# Altium PCB 2440PCBV8.PcbDoc (part 2 of 4)
Units mm, origin at the board's own origin, x right, y up, seen from the top; angles counter-clockwise.
Board outline 100.55 x 165.78 mm, 6 copper layers (Top Layer, GND1, SIG1, VCC, GND2, Bottom Layer), stack 1.803 mm thick; 257 components, 255 nets, 1164 pads, 733 vias.
Unrouted connection lines stored in the file: 55.
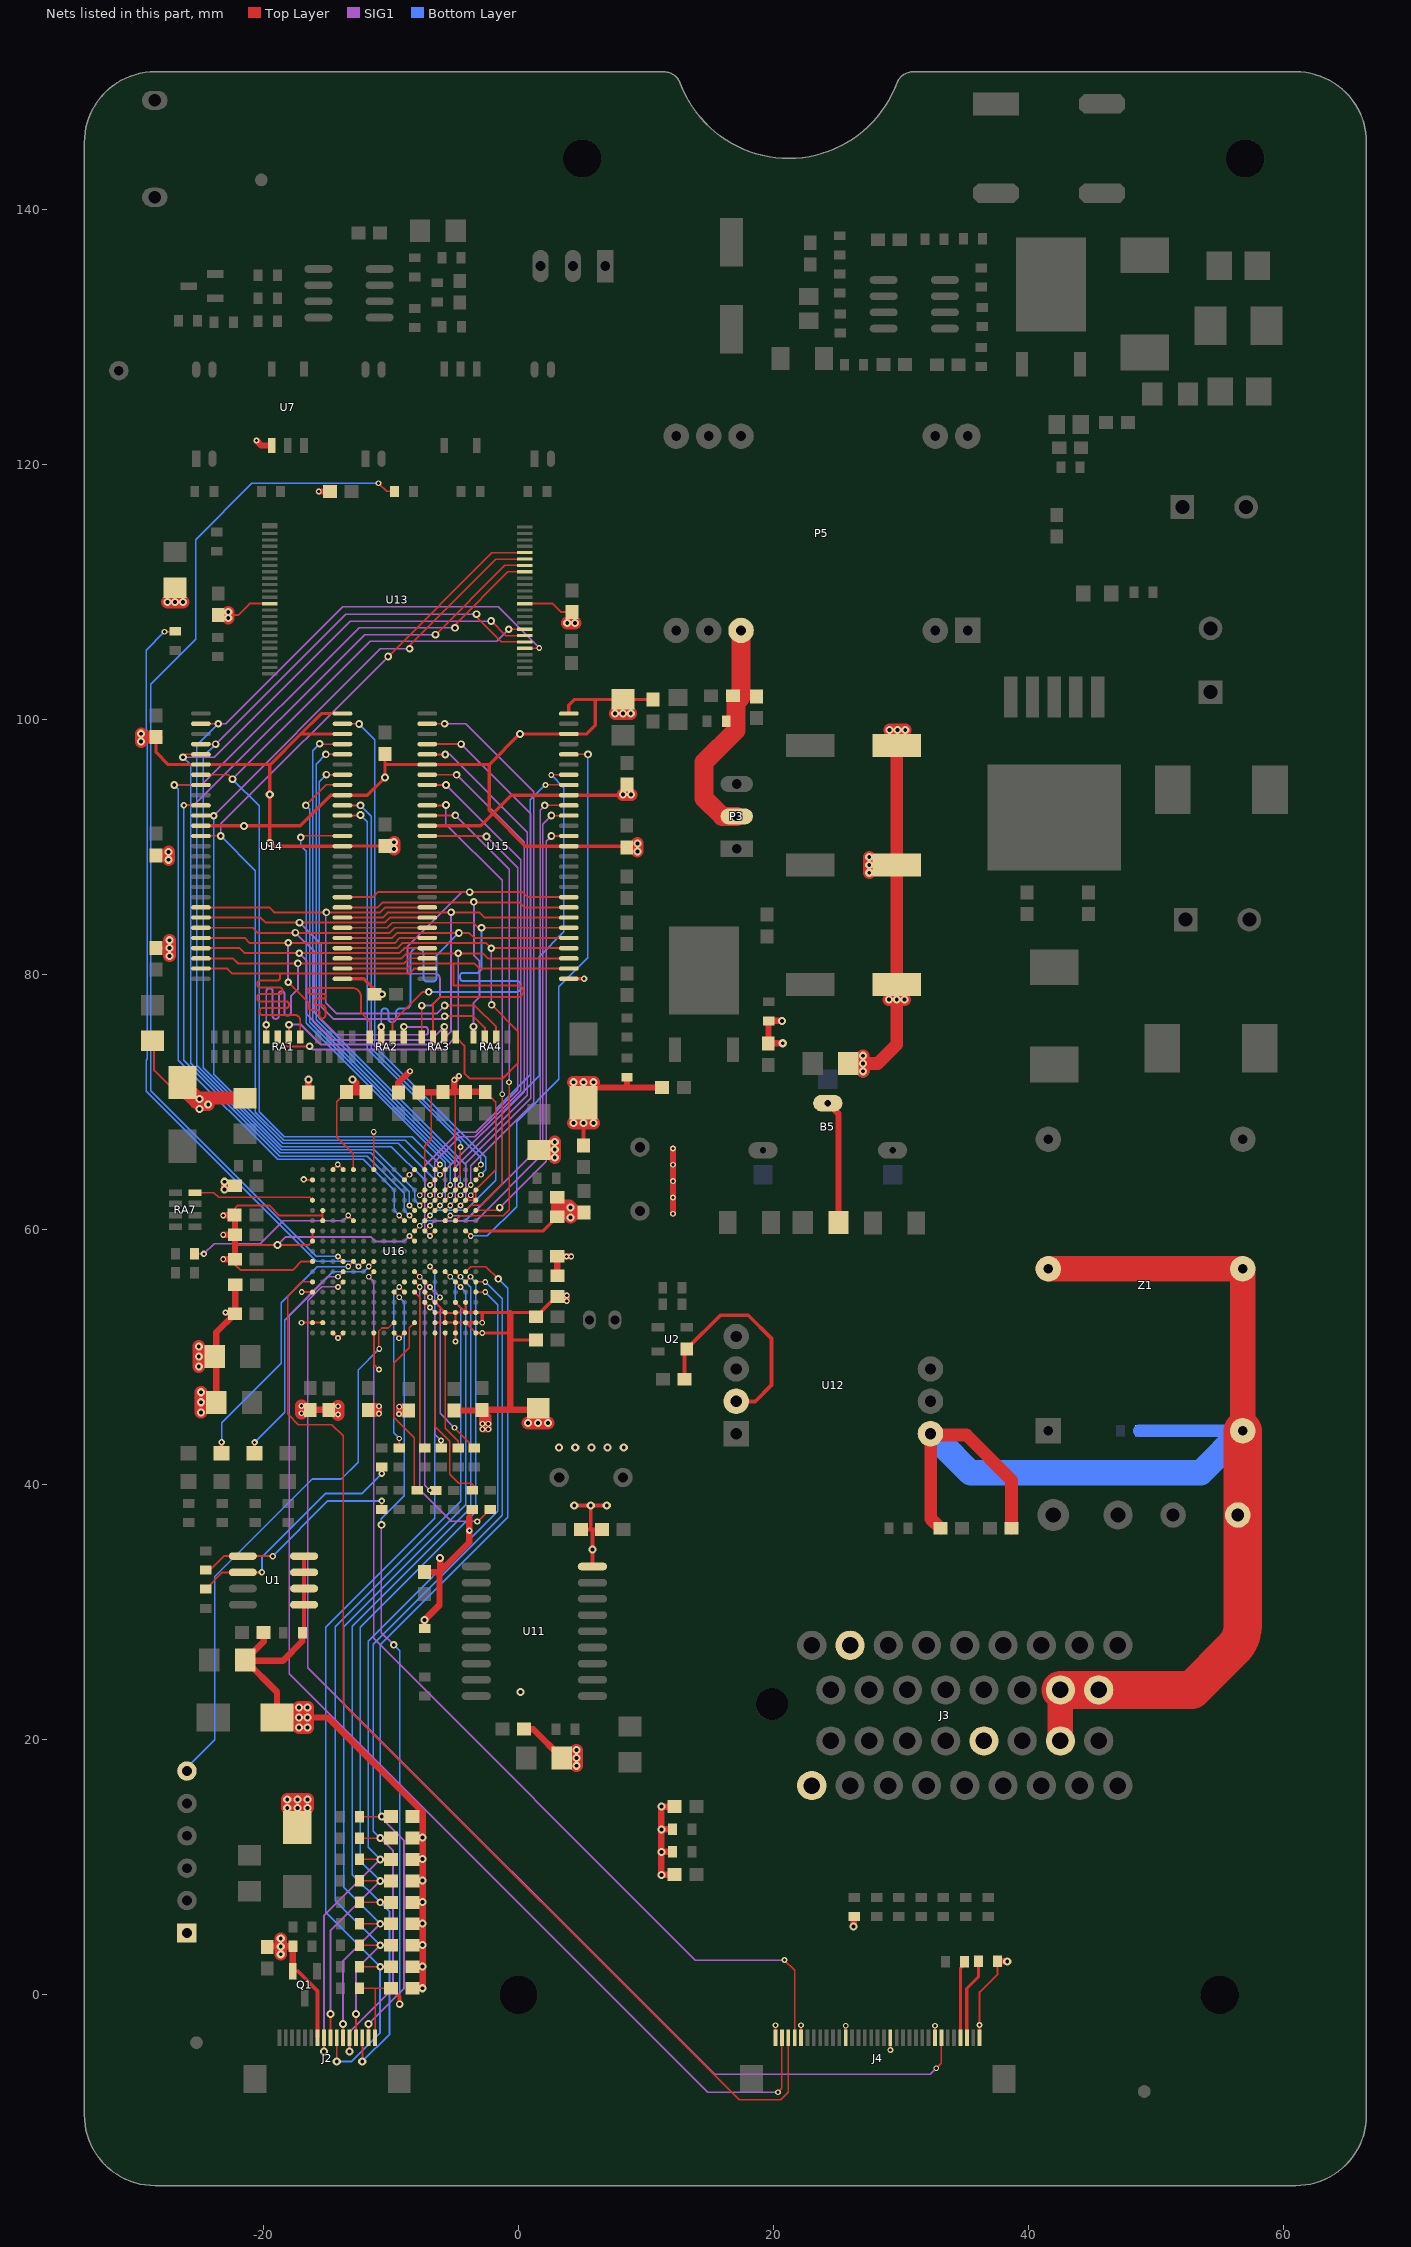
[diagram p6: the nets of this part, all layers, seen from the top]

## Via types
v1: diameter 0.635, hole 0.305, Top Layer to Bottom Layer, tented both sides, 275 vias
v2: diameter 0.457, hole 0.254, Top Layer to Bottom Layer, tented both sides, 233 vias
v3: diameter 0.6, hole 0.3, Top Layer to Bottom Layer, tented both sides, 106 vias
v4: diameter 0.762, hole 0.381, Top Layer to Bottom Layer, tented both sides, 59 vias
v5: diameter 0.508, hole 0.254, Top Layer to Bottom Layer, tented both sides, 59 vias
v6: diameter 0.406, hole 0.254, Top Layer to Bottom Layer, tented both sides, 1 vias

## Nets (pads, with @x,y where several pads share a name; then routed paths per layer and width w, separated by ;. In a path a pad name is that pad's centre, name@x,y a point inside that pad or via, vN(x,y) a via of type N, cw(c..) or ccw(c..) an arc to the next point about the centre after c; other vN are vias at no path point) (continued)
DACK: B2.2 U16.K7 | length 20.3
  Top Layer w0.102: v2(-11.748,57.099) U16.K7@-11.348,57.499
  Top Layer w0.254: B2.2@-20.696,42.456 v5(-20.696,43.312)
  Bottom Layer w0.102: v5(-20.696,43.312) -18.339,45.669 -18.339,52.908 -14.548,56.699 -12.148,56.699 v2(-11.748,57.099)
DN0: R25.1 U16.P12 | length 11.9
  Top Layer w0.102: U16.P12@-7.348,54.299 v2(-6.948,53.899) ; R25.1@-6.071,42.889 v2(-6.071,43.459)
  SIG1 w0.102: v2(-6.948,53.899) -6.548,53.499 -6.548,43.936 v2(-6.071,43.459)
DN1/PDN0: R8.1 U16.N12 | length 13.8
  Top Layer w0.102: U16.N12@-7.348,55.099 v2(-6.948,54.699) ; v2(-5.023,44.457) R8.1@-3.454,42.889
  SIG1 w0.102: v2(-6.948,54.699) -6.147,53.898 -6.147,45.581 v2(-5.023,44.457)
DP0: R35.1 U16.N11 | length 12.4
  Top Layer w0.102: U16.N11@-8.148,55.099 -7.748,54.699 R35.1@-7.748,42.889
DP1/PDP0: R11.1 U16.U14 | length 9.4
  Top Layer w0.102: U16.U14@-5.748,51.899 -5.748,44.407 -4.724,43.384 R11.1@-4.724,42.914
DPSH: J4.30 R51.2 | length 6
  Top Layer w0.254: J4.30@34.66,-3.375 34.66,2.072 34.786,2.198 R51.2@34.786,2.54
DPSV: J4.31 R52.1 | length 6.4
  Top Layer w0.254: J4.31@35.16,-3.375 35.16,0.489 36.074,1.403 R52.1@36.074,2.616
DREQ: B1.2 U16.K5 | length 20.8
  Top Layer w0.102: v2(-13.348,57.099) U16.K5@-12.948,57.499
  Top Layer w0.305: B1.2@-23.289,42.456 v5(-23.289,43.33)
  Bottom Layer w0.102: v5(-23.289,43.33) -23.289,44.859 -18.618,49.53 -18.618,54.28 -15.799,57.099 v2(-13.348,57.099)
EGND: C30.2 C31.1 J3.11 J3.18 J3.19 RV1.1 RV2.1 U12.8 Z1.2 Z1.4 Z1.5 | length 117.6
  Top Layer w1: C30.2@33.083,36.576 32.334,37.325 32.334,43.891 35.128,43.891 38.671,40.349 C31.1@38.671,36.576
  Top Layer w2: Z1.2@41.554,56.921 Z1.5@56.794,56.921 Z1.4@56.794,44.221 ; J3.11@42.5,19.9 J3.19@42.5,23.9
  Top Layer w3: J3.19@42.5,23.9 J3.18@45.5,23.9 52.805,23.9 56.05,27.145 ccw(c54.254,28.941) 56.794,28.941 Z1.4@56.794,44.221
  Bottom Layer w1: RV2.1@48.705,44.221 Z1.4@56.794,44.221
  Bottom Layer w2: U12.8@32.995,43.383 35.458,40.919 53.492,40.919 Z1.4@56.794,44.221
EINT0/GPF0: C17.1 J2.8 R26.2 U16.N17 | length 70.7
  Top Layer w0.102: R26.2@-12.458,10.604 v3(-10.844,10.604) C17.1@-9.994,10.604 ; U16.N17@-3.348,55.099 v2(-2.61,55.099)
  Top Layer w0.152: v1(-15.25,-4.463) J2.8@-15.25,-3.375
  SIG1 w0.152: v1(-15.25,-4.463) -15.264,-4.449 -15.264,6.184 v3(-10.844,10.604)
  Bottom Layer w0.102: v3(-10.844,10.604) -11.786,11.546 -11.786,27.737 -1.626,37.897 -1.626,54.115 v2(-2.61,55.099)
EINT1/GPF1: C18.1 J2.9 R27.2 U16.M16 | length 68.9
  Top Layer w0.102: R27.2@-12.458,8.922 v3(-10.844,8.922) C18.1@-9.994,8.922 ; U16.M16@-4.148,55.899 v2@-3.759,56.287
  Top Layer w0.152: J2.9@-14.75,-3.375 v1(-14.75,-1.524)
  SIG1 w0.152: v1(-14.75,-1.524) -14.75,5.016 v3(-10.844,8.922)
  Bottom Layer w0.102: v3(-10.844,8.922) -12.395,10.473 -12.395,28.834 -3.348,37.882 -3.348,55.841 -3.759,56.253 v2(-3.759,56.299)
EINT2/GPF2: C19.1 J2.10 R28.2 U16.L13 | length 74.8
  Top Layer w0.102: R28.2@-12.458,2.191 v3(-10.844,2.191) C19.1@-9.994,2.191 ; v2(-6.947,57.098) U16.L13@-6.548,56.699
  Top Layer w0.152: v1(-14.25,-5.226) J2.10@-14.25,-3.375
  Bottom Layer w0.102: v3(-10.844,2.191) -15.113,6.46 -15.113,28.818 -7.246,36.684 -7.241,36.684 -6.548,37.377 -6.548,52.933 ; v2(-6.947,57.098) -6.548,56.699 -6.548,53.264 -6.548,52.933
  Bottom Layer w0.152: v1(-14.25,-5.226) -13.075,-5.226 -10.844,-2.995 v3(-10.844,2.191)
EINT3/GPF3: C20.1 J2.11 R29.2 U16.M15 | length 68.4
  Top Layer w0.102: R29.2@-12.458,5.556 v3(-10.844,5.556) C20.1@-9.994,5.556 ; U16.M15@-4.948,55.899 v2(-4.548,55.499)
  Top Layer w0.152: J2.11@-13.75,-3.375 v1(-13.75,-2.287)
  SIG1 w0.152: v1(-13.75,-2.287) -13.75,2.65 v3(-10.844,5.556)
  Bottom Layer w0.102: v3(-10.844,5.556) -13.716,8.428 -13.716,28.854 -4.148,38.422 -4.148,55.099 v2(-4.548,55.499)
EINT4/GPF4: C21.1 J2.12 R30.2 U16.M17 | length 71.5
  Top Layer w0.102: R30.2@-12.458,12.287 v3(-10.844,12.287) C21.1@-9.994,12.287 ; U16.M17@-3.348,55.899 v2(-2.61,55.899)
  Top Layer w0.152: v1(-13.25,-4.463) J2.12@-13.25,-3.375
  SIG1 w0.152: v1(-13.25,-4.463) -13.25,-2.912 -9.83,0.508 -9.83,11.273 v3(-10.844,12.287)
  Bottom Layer w0.102: v3(-10.844,12.287) -11.379,12.822 -11.379,27.488 -1.27,37.598 -1.27,54.559 v2(-2.61,55.899)
EINT5/GPF5: C22.1 J2.13 R31.2 U16.L14 | length 69.4
  Top Layer w0.102: R31.2@-12.458,3.873 v3(-10.844,3.873) C22.1@-9.994,3.873 ; U16.L14@-5.748,56.699 v2(-5.348,56.299)
  Top Layer w0.152: J2.13@-12.75,-3.375 v1(-12.75,-1.524)
  SIG1 w0.152: v1(-12.75,-1.524) -12.75,1.967 v3(-10.844,3.873)
  Bottom Layer w0.102: v3(-10.844,3.873) -14.351,7.38 -14.351,28.854 -4.521,38.684 -4.521,53.872 -4.948,54.299 -4.948,55.899 v2(-5.348,56.299)
EINT6/GPF6: C23.1 J2.14 R32.2 U16.L15 | length 72.7
  Top Layer w0.102: R32.2@-12.458,7.239 v3(-10.844,7.239) C23.1@-9.994,7.239 ; U16.L15@-4.948,56.699 v2(-4.548,56.299)
  Top Layer w0.152: v1(-12.25,-5.226) J2.14@-12.25,-3.375
  Bottom Layer w0.102: v3(-10.844,7.239) -13.03,9.425 -13.03,28.88 -3.734,38.176 -3.734,55.485 v2(-4.548,56.299)
  Bottom Layer w0.152: v1(-12.25,-5.226) -12.237,-5.226 -10.109,-3.099 -10.109,6.504 v3(-10.844,7.239)
EINT7/GPF7: C24.1 J2.15 R33.2 U16.L16 | length 71.5
  Top Layer w0.102: R33.2@-12.458,13.97 v3(-10.719,13.97) C24.1@-9.994,13.97 ; U16.L16@-4.148,56.699 -3.748,57.099 -2.551,57.099 v3(-1.587,56.134)
  Top Layer w0.152: J2.15@-11.75,-3.375 v1(-11.75,-2.287)
  SIG1 w0.152: v1(-11.75,-2.287) -8.985,0.477 -8.985,12.111 v3@-10.844,13.97
  Bottom Layer w0.102: v3@-10.844,13.97 -10.844,27.446 -0.857,37.433 -0.857,55.405 v3(-1.587,56.134)
EINT8/GPG0: C25.1 J2.16 R34.2 U16.N9 | length 66.7
  Top Layer w0.102: R34.2@-12.458,0.508 -11.25,0.508 ; J2.16@-11.227,-3.352 J2.16@-11.25,-3.375 -11.25,0.508 ; C25.1@-9.996,0.51 -11.25,0.51 -11.25,0.508 ; C25.1@-9.994,0.508 -11.25,0.508 ; U16.N9@-9.748,55.099 v2(-9.348,54.699)
  Top Layer w0.305: C25.1@-9.994,0.508 -9.322,-0.164 v3(-9.322,-0.737)
  SIG1 w0.102: v3(-10.744,36.843) -10.744,28.397 v3(-9.779,27.432)
  Bottom Layer w0.102: v3(-10.744,36.843) -10.744,37.313 -8.948,39.109 -8.948,54.299 v2(-9.348,54.699) ; v3(-9.779,27.432) -9.322,26.975 v3(-9.322,-0.737)
EINT9/GPG1: pad.3@-26,17.54 U16.T9 | length 43.1
  Top Layer w0.127: v2(-10.922,50.648) -10.948,50.673 -10.948,52.042 -10.707,52.283 -10.221,52.283 -9.805,52.699 U16.T9@-9.748,52.699
  Bottom Layer w0.127: pad.3@-25.866,17.958 -23.825,19.998 -23.825,32.791 -16.18,40.437 -13.894,40.437 -12.573,41.758 -12.573,48.997 v2(-10.922,50.648)
EINT17/GPG9: R13.2 U16.M11 | length 23.8
  Top Layer w0.102: U16.M11@-8.148,55.899 v2(-7.748,55.499) ; v5(-3.226,37.109) -3.2,37.084 -3.2,37.071 R13.2@-2.21,38.061 R13.2@-2.21,37.846
  SIG1 w0.102: v2(-7.748,55.499) -7.748,39.599 -5.258,37.109 v5(-3.226,37.109) v5@-3.175,37.059
EINT18/GPG10: NR4.2 U16.N10 | length 13.6
  Top Layer w0.102: v6(-9.347,43.624) -9.347,42.99 NR4.2@-9.246,42.889 ; v2(-9.348,55.499) U16.N10@-8.948,55.099
  Bottom Layer w0.102: v6(-9.347,43.624) -9.779,44.056 -9.779,55.067 v2(-9.348,55.499)
GND: B5.2 C6.2 C7.2 C8.2 C9.2 C10.2 C11.2 C12.2 C13.2 C14.2 C16.2 C17.2 C18.2 C19.2 C20.2 C21.2 C22.2 C23.2 C24.2 C25.2 C29.2 C34.2 C35.2 C36.2 C37.2 C38.2 C39.2 C40.2 C41.2 C42.2 C43.2 C44.2 C45.2 C46.2 C47.2 C48.1 C49.2 C50.2 C51.2 C52.1 C53.2 C54.2 C56.2 C58.2 C59.2 C60.2 C61.2 C62.2 C63.2 C64.2 C65.2 C66.2 C67.2 C68.2 C69.2 C70.2 C71.2 C72.2 C73.2 C74.2 C75.2 C76.2 C77.2 C78.2 CP1.2 CP2.2 CP3.2 CP4.2 CP5.2 CP6.2 CP8.2 CP9.2 CP10.2 CP11.2 CP12.2 CP13.2 CP14.2 CP15.2 CP16.2 CP17.2 CV4.2 CV5.2 CV6.2 J2.7 J3.9 J3.13 J3.33 J4.1 J4.5 J4.12 J4.19 J4.26 J4.33 P3.2 P5.16@17.45,106.985 pad.0@-26,4.84 Q1.2 R3.2 R14.2 R17.1 R20.2 R21.2 R37.2 R38.2 R52.2 R66.2 RV5.1 RV6.1 U1.1 U1.2 U1.3 U1.4 U2.1 U7.4 U11.9 U12.2 U13.13 U13.36 U14.6 U14.12 U14.28 U14.41 U14.46 U14.52 U14.54 U15.6 U15.12 U15.28 U15.41 U15.46 U15.52 U15.54 U16.A3 U16.A4 U16.A5 U16.A7 U16.A11 U16.A12 U16.A15 U16.B1 U16.B10 U16.B13 U16.C17 U16.D16 U16.D17 U16.E2 U16.F2 U16.G1 U16.G17 U16.H1 U16.H11 U16.K1 U16.M12 U16.N1 U16.P13 U16.P15 U16.P16 U16.R13 U16.R14 U16.R15 U16.R16 U16.R17 U16.T1 U16.T2 U16.T13 U16.T14 U16.T15 U16.T16 U16.T17 U16.U3 U16.U4 U16.U7 U16.U9 U16.U10 U16.U15 U16.U17 | length 572.4
  Top Layer w0.102: U16.A3@-14.548,64.699 -14.548,64.724 v2(-14.173,65.099) -14.148,65.099 U16.A4@-13.748,64.699 ; C73.2@-13.519,70.757 -14.245,70.031 -14.245,67.255 -12.948,65.958 U16.A5@-12.948,64.699 ; U16.A7@-11.348,64.699 v2(-11.348,67.666) ; U16.B10@-8.948,63.899 v2(-8.548,64.299) U16.A11@-8.148,64.699 ; C63.2@-7.538,70.769 -7.499,70.808 -6.838,70.808 ; U16.A12@-7.348,64.699 -7.348,66.556 -6.838,67.066 -6.838,70.757 -6.838,70.808 ; v2(-6.948,63.499) U16.B13@-6.548,63.899 ; C71.2@-5.925,70.782 C71.2@-5.95,70.808 ; U16.A15@-4.948,64.699 -4.953,64.704 -4.953,70.808 -5.029,70.808 C71.2@-5.95,70.808 ; C59.2@-4.172,70.516 -4.172,70.783 -4.148,70.808 C59.2@-4.148,70.782 ; C68.2@-2.597,70.808 -1.785,69.995 -1.785,64.674 -3.348,63.111 U16.C17@-3.348,63.099 ; -6.838,70.808 C71.2@-5.95,70.808 ; v2(-3.748,62.699) U16.C17@-3.348,63.099 ; v2(-3.748,62.699) U16.D16@-4.148,62.299 U16.D17@-3.348,62.299 ; v2(-3.748,62.699) U16.D17@-3.348,62.299 ; U16.D17@-3.348,62.299 U16.C17@-3.348,63.099
  Top Layer w0.152: CP10.2@-28.575,74.775 -28.575,72.492 -27.127,71.044 CP2.2@-26.365,71.044 ; C38.2@-23.546,108.192 -22.758,108.192 -21.983,108.192 -21.09,109.085 U13.13@-19.513,109.085 ; C62.2@-22.262,61.138 -22.262,61.634 -21.997,61.899 -19.559,61.899 -18.759,61.099 -15.373,61.099 ; C78.2@-22.231,57.681 -22.231,57.257 -21.819,56.845 -17.674,56.845 -17.02,57.499 U16.K1@-16.148,57.499 ; C54.2@-22.231,59.602 -22.231,59.086 -21.946,58.801 v1(-18.898,58.801) -16.446,58.801 U16.H1@-16.148,59.099 U16.G1@-16.148,59.899 ; v2(-17.012,52.699) U16.T1@-16.148,52.699 U16.T2@-15.348,52.699 ; v2(-16.998,55.099) U16.N1@-16.148,55.099 ; v5(-16.84,63.932) -16.807,63.899 U16.B1@-16.148,63.899 ; U16.F2@-15.348,60.699 -15.373,60.724 -15.373,61.099 ; U16.E2@-15.348,61.499 -15.373,61.474 -15.373,61.099 ; C75.2@-14.84,45.867 C75.2@-14.808,45.835 ; U16.U3@-14.548,51.899 v2(-14.148,51.499) U16.U4@-13.748,51.899 U16.U4@-13.723,51.874 ; U16.U7@-11.348,51.899 -11.348,49.422 v2(-10.948,49.022) ; U16.U9@-9.748,51.899 -9.361,51.512 v2@-9.361,51.486 ; U16.U10@-8.948,51.899 v2@-9.361,51.486 ; v2(-8.548,59.499) U16.H11@-8.148,59.099 ; U16.M12@-7.348,55.899 v2(-6.948,55.499) ; U16.T13@-6.548,52.699 U16.T14@-5.748,52.699 U16.T14@-5.673,52.699 ; U16.R13@-6.548,53.499 U16.R14@-5.748,53.499 ; v2(-6.147,54.686) -6.147,54.691 -6.151,54.695 U16.P13@-6.548,54.299 U16.R14@-5.748,53.499 ; v2(-4.948,51.227) U16.U15@-4.948,51.899 U16.T15@-4.948,52.699 ; U16.P15@-4.948,54.299 U16.R16@-4.148,53.499 ; U16.P16@-4.148,54.299 U16.R16@-4.148,53.499 ; U16.U17@-3.348,51.899 U16.T16@-4.148,52.699 U16.T15@-4.948,52.699 ; U16.T17@-3.348,52.699 v2(-2.845,52.699) ; U13.36@0.487,109.085 2.675,109.085 3.339,108.421 3.937,108.421 C39.2@4.166,108.192 ; J4.1@20.16,-3.375 v2(20.16,-2.395) ; J4.5@22.16,-3.375 v2(22.16,-2.399) ; J4.12@25.66,-3.375 v2(25.66,-2.432) ; v2(29.16,-4.344) J4.19@29.16,-3.375 ; J4.26@32.66,-3.375 v2(32.66,-2.434) ; J4.33@36.16,-3.375 v2(36.16,-2.372) 36.16,0.206 37.574,1.621 R52.2@37.574,2.616 ; v2@-9.361,51.486 v2(-9.361,51.474) -9.373,51.474 v2@-9.361,51.486 ; U16.R14@-5.748,53.499 -5.723,53.474 -5.172,53.474 -5.121,53.474 -4.973,53.474 U16.R15@-4.948,53.499 ; U16.R14@-5.748,53.499 -5.748,52.709 -4.958,52.709 U16.T15@-4.948,52.699 ; U16.T15@-4.948,52.699 U16.R15@-4.948,53.499 ; U16.R15@-4.948,53.499 U16.R16@-4.148,53.499
  Top Layer w0.254: C47.2@-28.423,82.079 v1(-27.367,82.079) ; C43.2@-28.423,89.349 v1@-27.436,89.349 ; C40.2@-28.423,98.616 -28.423,97.434 -27.457,96.468 U14.6@-24.905,96.468 -19.457,96.468 -17.057,98.868 ; U14.12@-24.905,91.668 -19.507,91.668 ; -19.507,96.317 v1(-19.507,94.132) -19.507,91.668 ; U14.28@-13.805,79.668 -12.143,79.668 -11.428,78.953 C45.2@-11.428,78.472 ; U14.52@-13.805,98.868 -17.057,98.868 ; U14.54@-13.805,100.468 -15.457,100.468 -17.057,98.868 ; C44.2@-10.465,90.082 -13.791,90.082 U14.41@-13.805,90.068 -19.253,90.068 v1(-19.507,90.322) -19.507,91.668 ; C46.2@-10.465,97.296 v1(-10.465,95.453) -11.85,94.068 U14.46@-13.805,94.068 -14.72,94.068 -17.12,91.668 -19.507,91.668 ; -10.413,96.468 U15.6@-7.15,96.468 -2.287,96.468 ; U15.12@-7.15,91.668 -2.972,91.668 -2.019,92.621 ; U16.T16@-4.148,52.699 U16.T17@-3.348,52.699 ; U16.R16@-4.148,53.499 U16.R17@-3.348,53.499 -2.845,53.499 ; U16.U17@-3.348,51.899 v2(-2.845,51.899) -0.66,51.899 ; U16.G17@-3.348,59.899 1.939,59.899 C58.2@3.039,60.999 ; v2(-2.845,52.699) -2.845,53.499 ; -1.994,92.596 0.533,90.068 U15.41@3.95,90.068 8.402,90.068 C42.2@8.49,89.98 ; -0.66,51.333 C48.1@1.233,51.333 ; C52.1@1.233,53.162 0.896,53.499 -2.845,53.499 ; U15.54@3.95,100.468 3.95,101.13 4.397,101.578 CP11.2@8.204,101.578 C6.2@10.524,101.578 ; 6.02,101.561 6.02,99.543 5.345,98.868 U15.52@3.95,98.868 v1(0.113,98.868) -2.287,96.468 ; v1@8.318,94.068 8.357,94.107 8.509,94.259 C41.2@8.509,94.412 ; C41.2@8.509,94.908 C41.2@8.509,94.412 ; -2.287,96.468 -2.287,92.889 -2.019,92.621 ; -2.019,92.621 -0.572,94.068 U15.46@3.95,94.068 8.166,94.068 v1(8.204,94.107) C41.2@8.509,94.412
  Top Layer w0.305: C13.2@-19.773,3.81 -18.644,3.81 R21.2@-17.692,3.81 ; R21.2@-17.702,3.8 -17.7,3.802 R21.2@-17.692,3.81 ; Q1.2@-17.7,1.837 -17.306,1.837 -15.75,0.281 J2.7@-15.75,-3.375 ; Q1.2@-17.692,1.846 R21.2@-17.692,3.81 ; R17.1@-16.818,28.531 U1.1@-16.818,30.582 U1.2@-16.818,31.852 U1.3@-16.818,33.122 U1.4@-16.818,34.392 ; v5@-3.762,36.551 -3.85,36.639 -3.886,36.675 -3.886,37.383 -3.85,37.419 -3.85,37.852 R38.2@-3.641,38.061 ; C52.1@1.36,53.162 C51.2@2.959,54.762 ; U15.28@3.95,79.668 v5(5.145,79.668) ; v1(4.369,38.355) v1(5.664,38.355) ; v1@4.369,38.52 v1@4.381,38.507 ; C36.2@4.889,36.474 5.715,36.474 ; C53.2@5.105,66.611 v1(5.105,68.351) ; 5.664,36.525 v1(5.664,38.355) ; U11.9@5.795,33.579 v1(5.795,34.9) 5.795,36.395 5.715,36.474 ; C37.2@6.922,36.5 6.541,36.492 5.715,36.474 ; v1(6.922,38.355) v1(5.664,38.355) ; C12.2@13.017,48.26 13.017,50.461 U2.1@13.19,50.634 15.836,53.281 18.017,53.281 19.837,51.46 19.837,47.803 18.567,46.533 U12.2@17.069,46.533 ; C12.2@13.064,48.26 C12.2@13.19,48.386
  Top Layer w0.5: CP14.2@-23.701,46.431 -23.701,51.939 C74.2@-22.231,53.409 ; v2(-23.157,57.681) C78.2@-22.231,57.681 -22.231,59.086 ; v2(-23.157,59.588) -22.244,59.588 C54.2@-22.231,59.602 -22.231,61.106 C62.2@-22.262,61.138 -22.288,61.112 v2(-23.157,61.112) ; v1(-23.063,63.754) v1(-23.063,63.144) C69.2@-22.765,63.442 ; v2(-22.968,53.492) -22.314,53.492 C74.2@-22.231,53.409 ; C66.2@-22.211,55.677 -22.211,53.428 C74.2@-22.231,53.409 ; CP5.2@-21.996,26.187 CP5.2@-21.436,26.187 ; v2(-20.549,121.875) -20.161,121.487 U7.4@-19.355,121.487 ; C11.2@-19.978,28.399 -19.978,27.697 CP5.2@-21.436,26.238 ; C13.2@-19.71,3.746 -19.654,3.802 -18.644,3.802 -17.7,3.802 Q1.2@-17.7,1.837 ; CP1.2@-18.938,21.742 -18.938,23.739 CP5.2@-21.386,26.187 ; v1(-17.221,21.742) v1(-16.535,21.742) -14.961,21.742 -7.518,14.3 v1(-7.518,12.332) v1(-7.518,10.643) v1(-7.518,8.954) v1(-7.518,7.264) v1(-7.518,5.575) v1(-7.518,3.886) v1(-7.518,2.197) v1(-7.518,0.508) C25.2@-8.294,0.508 ; R17.1@-16.95,28.399 -16.95,27.706 -18.468,26.187 CP5.2@-21.386,26.187 ; C61.2@-16.479,70.769 v1(-16.479,71.774) ; C67.2@-16.338,45.867 C75.2@-14.84,45.867 ; v2(-15.67,117.88) C29.2@-14.791,117.88 ; C73.2@-13.49,70.776 -12.725,70.776 ; v1(-13.005,71.78) -12.725,71.501 -12.725,70.776 ; C60.2@-11.963,70.776 -12.725,70.776 ; v2(-10.947,46.152) v2(-10.947,45.568) -11.391,45.568 C64.2@-11.684,45.861 ; C72.2@-9.417,70.769 -9.417,71.506 v2(-8.508,72.415) ; C63.2@-7.499,70.808 -7.779,70.808 C63.2@-7.83,70.757 -6.838,70.757 -5.08,70.757 -5.029,70.808 v2(-5.029,71.73) -4.978,71.73 v2(-4.674,72.034) ; C35.2@-7.368,33.133 -6.198,33.133 ; R66.2@-7.366,28.707 v1(-7.368,29.388) -6.198,30.555 -6.198,33.133 ; v1(-6.148,34.239) -6.148,33.183 ; C76.2@-5.055,45.81 -2.921,45.81 C50.2@-2.87,45.861 ; -4.953,70.808 -4.148,70.808 C68.2@-2.597,70.808 ; -3.85,37.419 -3.85,36.639 v5(-3.85,36.398) -3.85,35.481 -6.148,33.183 ; v2@-2.845,44.78 C50.2@-2.845,45.835 ; -0.66,53.448 -0.66,51.899 -0.66,51.333 -0.66,45.861 ; C34.2@0.432,20.828 1.146,20.828 CP8.2@3.407,18.567 ; C52.1@1.233,53.162 C52.1@1.36,53.162 ; CP12.2@1.549,45.996 1.414,45.861 -0.66,45.861 ; C51.2@2.959,54.762 C51.2@3.06,54.762 C51.2@3.039,54.783 ; C65.2@3.047,56.388 3.039,56.396 C77.2@3.039,57.918 v2@4.122,57.918 ; v2(3.785,54.407) v2(3.785,54.839) ; CP4.2@5.51,71.147 C9.2@11.266,71.147 ; 8.509,71.35 R3.2@8.509,71.945 ; v1@11.217,12.984 R37.2@12.091,12.984 ; v1@11.22,11.201 R20.2@12.091,11.201 ; v2(12.116,61.239) v2(12.116,62.52) v2(12.116,63.8) v2(12.116,65.08) v2(12.116,66.36) ; C14.2@12.243,9.435 12.206,9.398 v1(11.201,9.398) v1(11.201,11.183) v1(11.201,12.968) v1(11.201,14.754) C16.2@12.243,14.754 ; RV6.1@16.295,99.847 16.813,100.366 C10.2@16.813,101.854 17.45,101.854 17.501,101.854 18.376,101.854 C7.2@18.44,101.79 ; C8.2@19.583,74.612 C8.2@19.609,74.612 ; C8.2@19.609,74.383 C8.2@19.609,74.612 ; v1(20.65,76.364) RV5.1@19.609,76.364 C8.2@19.609,74.612 ; v1(20.726,74.612) C8.2@19.609,74.612 ; B5.2@24.257,69.918 25.098,69.077 CP17.2@25.098,60.554 ; v1(26.264,5.359) 26.286,5.382 R14.2@26.286,6.084 ; R52.2@37.574,2.616 v1(38.329,2.616) ; CP5.2@-21.436,26.187 CP5.2@-21.436,26.238 ; CP5.2@-21.436,26.187 CP5.2@-21.386,26.187 ; CP5.2@-21.436,26.238 CP5.2@-21.386,26.187 ; C64.2@-11.684,45.861 -11.264,45.861 -10.973,46.152 -11.393,46.152 C64.2@-11.684,45.861 ; -6.198,33.133 -6.148,33.183 ; C50.2@-2.87,45.861 C50.2@-2.845,45.835 ; C50.2@-2.87,45.861 -0.66,45.861 ; C50.2@-2.845,45.835 -2.362,45.353 v2(-2.362,44.78) ; v2(-2.362,44.78) v2(-2.362,44.348) v2(-2.819,44.348) v2(-2.819,44.78) v2(-2.362,44.78) ; v2(-9.361,45.542) -9.35,45.553 v2(-9.35,46.101) -8.89,46.101 C56.2@-8.599,45.81 -8.866,45.542 v2(-9.361,45.542)